# KiCad board for_real_486_rc13.kicad_pcb (continued)
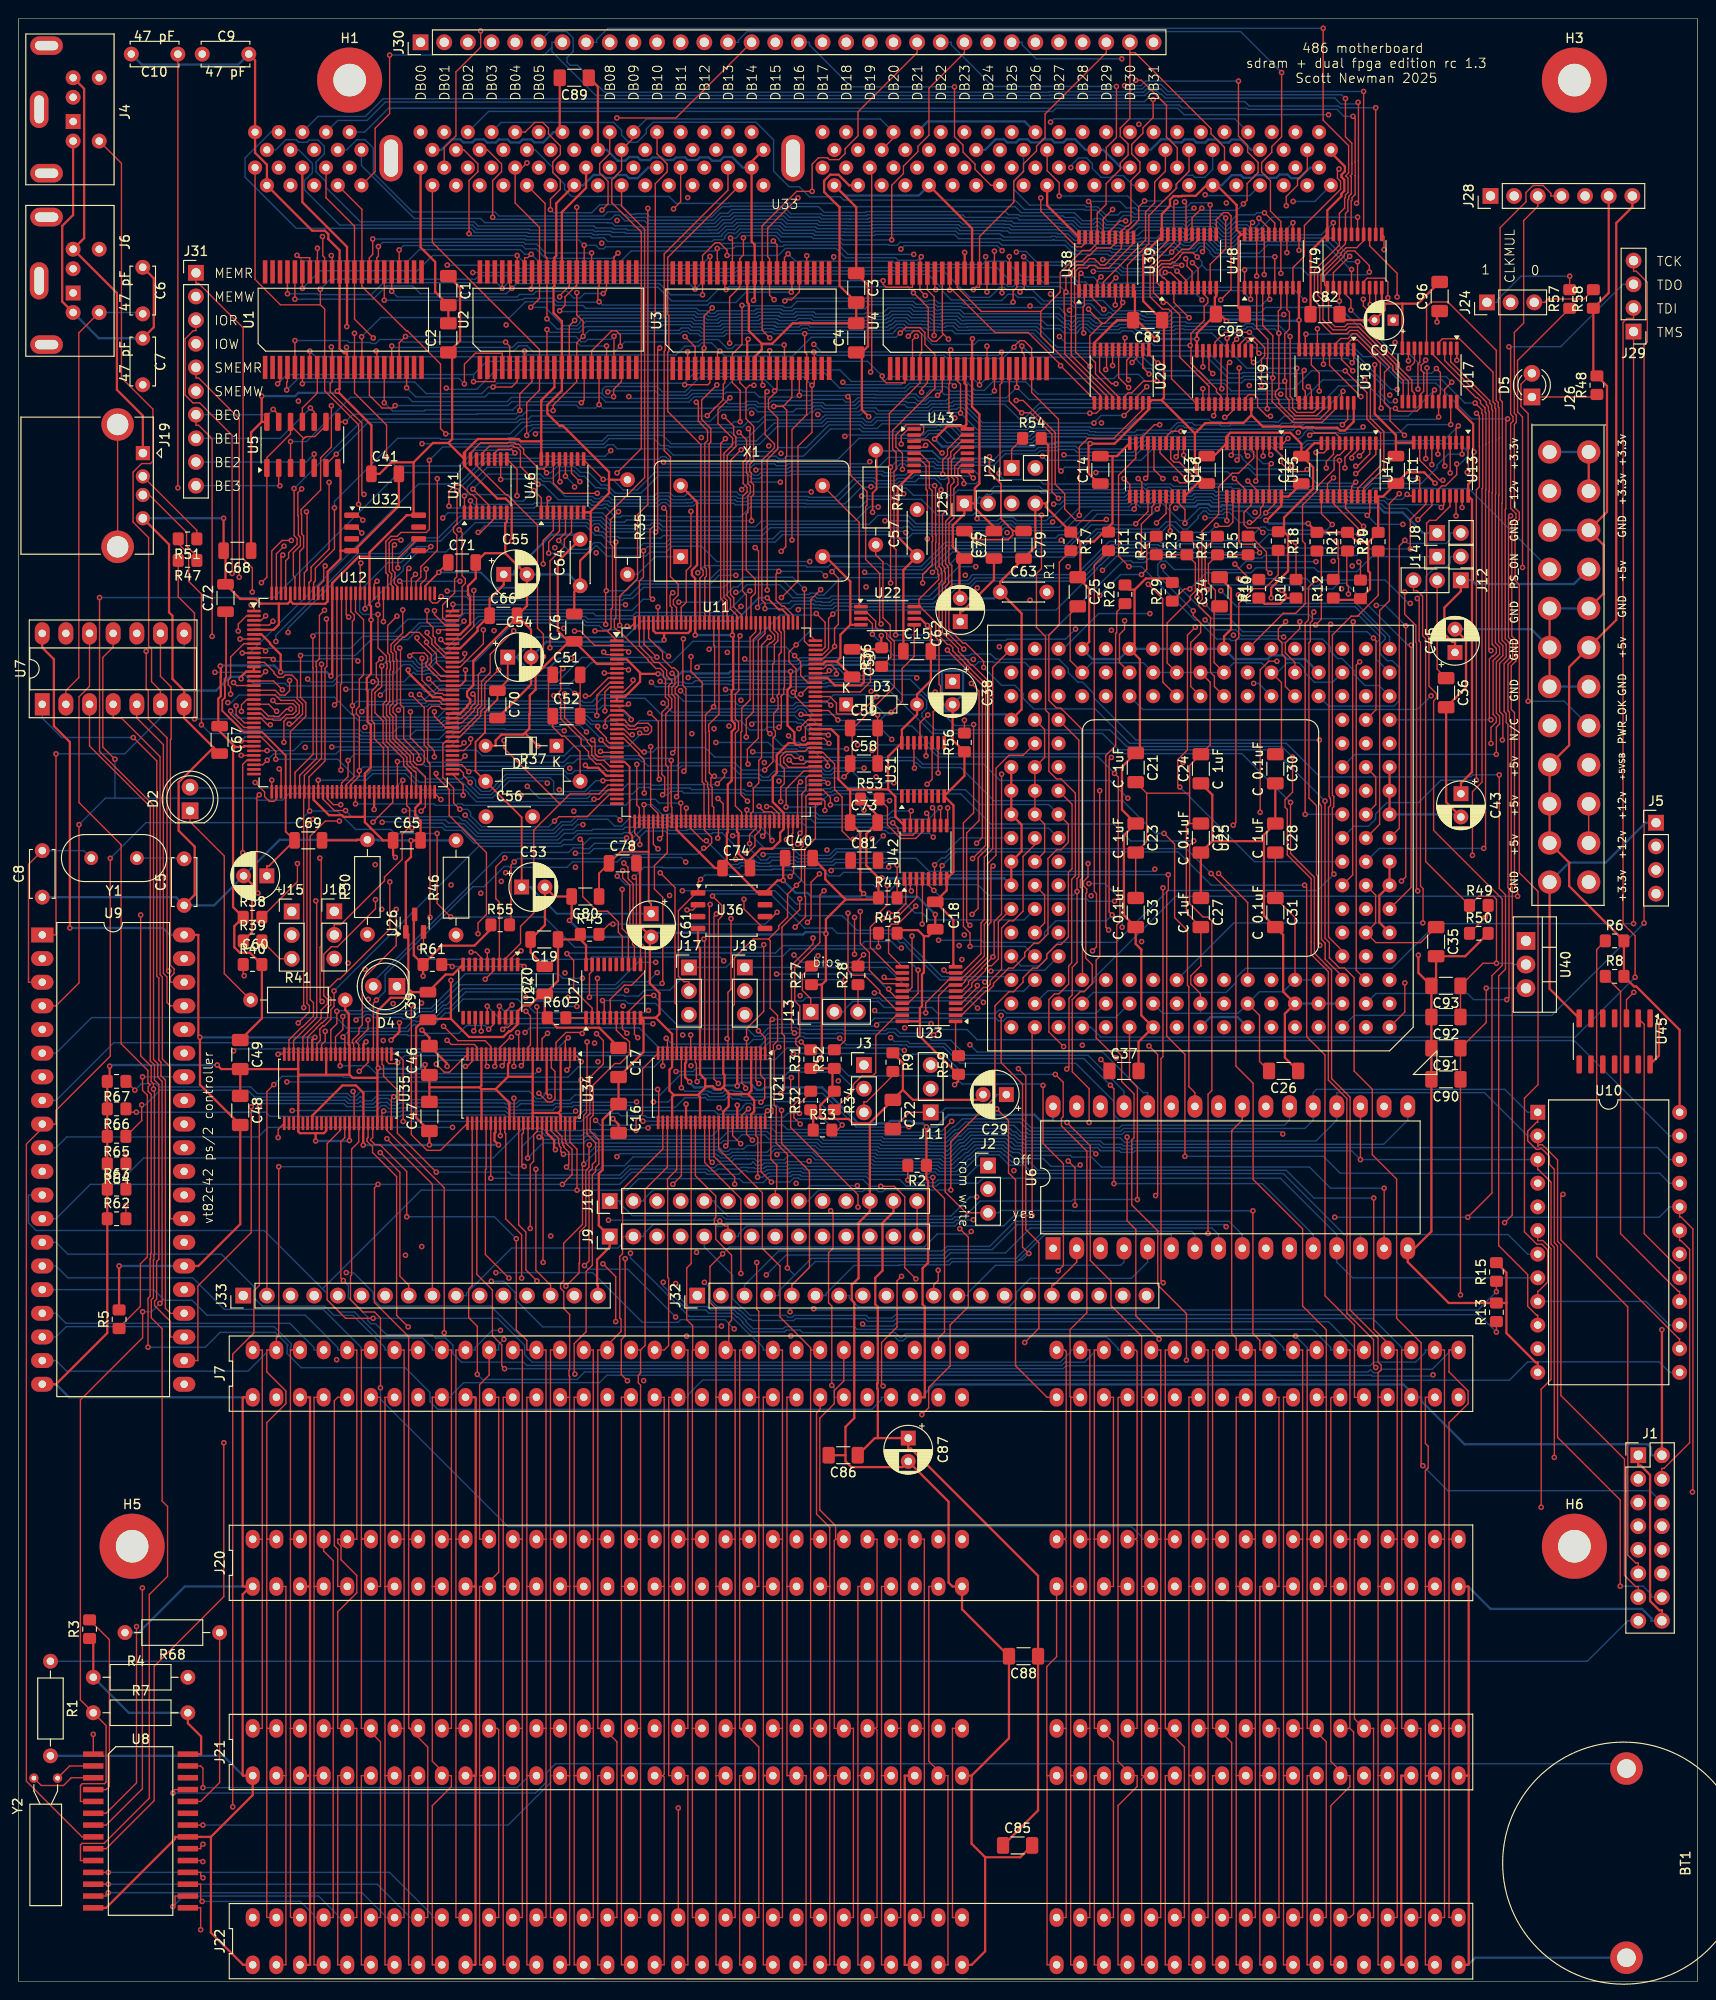
[diagram p0: board, top side]
## Routing (per net, layer and track width the routed paths; a pad name or vN(x,y) marks a point on that pad's centre or on a via; arc(x,y) is an arc through that point) (continued)
AB09: length 341.9
  Top w0.15: U6.26 126.36,95.46 125.71,96.11 125.71,106.84 125.56,106.99 125.56,112.87 124.18,114.26 124.18,122.16 v1(123.04,123.3) ; U21.14 73.7,111.88 v1(73.62,111.96) ; U4.19 108.02,174.75 107.78,174.99 v1(107.78,175.65) ; U11.81 84.86,130.5 84.75,130.4 82.71,130.4 82.19,130.92 82.19,131.42 82.53,131.76 83.01,131.76 83.39,131.38 v1(84.08,131.38) ; v1(83.08,154.81) 83.08,166.69 84.65,168.26 84.65,171.71 84.67,171.73 U3.19 84.67,174.78 84.45,175.01 v1(84.45,176.98) ; U1.19 40.88,176 v1(41.56,176.68) ; U14.17 143.85,160.36 146.31,162.81 146.31,166.32 144.84,167.79 144.84,170.66 v1(142.51,172.99) ; v1(63.95,176.7) U2.19
  In1.Cu w0.15: U6.26 126.36,92.5 125.65,91.78 119.36,91.78 118.49,90.92 118.49,90.79 106.98,79.28 99.39,79.28 94.34,74.23 94.34,73.66 J32.9
  In2.Cu w0.15: v1(84.08,131.38) 83.73,131.73 83.73,133.65 84.62,134.55 84.62,143.36 83.08,144.91 v1(83.08,154.81) ; v1(78.86,132.08) 77.28,130.5 77.28,122.81 76.95,122.48 76.87,122.48 74.91,120.51 74.91,118.54 73.62,117.25 v1(73.62,111.96)
  Bottom w0.15: v1(41.56,176.68) 59.83,176.68 60.4,176.11 60.88,176.11 61.14,176.37 63.63,176.37 v1(63.95,176.7) 64.24,176.98 71.08,176.98 71.34,177.24 71.82,177.24 72.08,176.98 72.98,176.98 73.25,176.71 75.77,176.71 76.04,176.98 80.07,176.98 80.25,177.17 80.85,177.17 80.9,177.11 80.99,177.11 81.12,176.98 v1(84.45,176.98) 93.86,176.98 94.13,177.25 94.13,177.3 94.47,177.64 94.95,177.64 95.29,177.3 95.29,177.29 95.3,177.28 96.67,177.28 98.14,175.82 102.66,175.82 103.1,176.26 107.18,176.26 v1(107.78,175.65) 108.98,174.46 119.85,174.46 120.19,174.12 120.19,174.09 121.04,173.24 121.67,173.24 122.45,172.45 126.77,172.45 127.59,171.64 129.49,171.64 130.3,170.84 135.12,170.84 135.34,171.06 136.96,171.06 138.89,172.99 v1(142.51,172.99) ; v1(78.86,132.08) 78.96,131.97 83.48,131.97 v1(84.08,131.38) 84.34,131.12 96.06,131.12 96.29,130.89 96.48,130.89 96.81,130.55 97,130.37 101.21,130.37 104.76,126.82 118.61,126.82 122.12,123.3 v1(123.04,123.3)
AB10: length 309.6
  Top w0.15: U11.82 84.61,131 84.39,130.78 83.17,130.78 v1(82.77,131.18) ; v1(83.02,97.08) 82.94,96.99 82.94,91.72 90.17,84.49 v1(90.17,83.16) ; v1(143.64,161.04) 143.2,160.6 U14.16 ; v1(85.43,175.01) 85.47,174.97 U3.20 85.47,171.68 v1(85.23,171.43) 85.23,166.39 83.72,164.89 83.72,150.41 v1(81.95,148.64) ; v1(111.97,162.23) 111.71,162.49 111.71,167.79 108.83,170.67 U4.20 108.83,175.43 108.02,176.23 107.54,176.23 106.93,175.61 v1(106.93,175.52) ; v1(41.68,171.17) U1.20 ; U2.20 64.75,171.83 63.92,170.99 v1(63.92,170.21) ; U21.16 72.7,98.69 72.8,98.59 72.8,96.73 v1(72.89,96.64)
  In1.Cu w0.15: v1(82.77,131.18) 82.64,131.05 82.64,128.36 86.24,124.76 89.67,124.76 v1(91.69,122.73) ; J32.10 96.88,73.66 96.88,73.94 97.73,74.79 104.24,74.79 112.91,83.46 112.91,83.59 113.24,83.93 113.8,83.93 117.33,87.46 128.95,87.46 133.99,92.5 133.99,93.98
  In2.Cu w0.15: v1(83.02,97.08) 86.45,100.51 86.45,110.11 90.99,114.66 90.99,115.88 91.35,116.23 91.35,122.38 v1(91.69,122.73) ; J32.10 95.76,74.79 94.97,74.79 90.17,79.58 v1(90.17,83.16) ; v1(82.77,131.18) 82.08,131.87 82.08,134.29 82.26,134.47 82.26,134.95 81.87,135.34 81.87,148.56 v1(81.95,148.64)
  Bottom w0.15: v1(85.43,175.01) 85.78,174.66 99.41,174.66 99.75,174.31 105.72,174.31 v1(106.93,175.52) ; v1(143.64,161.04) 143.53,160.92 139.42,160.92 138.53,161.82 132.84,161.82 132.11,162.55 125.28,162.55 125.19,162.64 112.38,162.64 v1(111.97,162.23) ; v1(72.89,96.64) 73.27,97.02 82.96,97.02 v1(83.02,97.08) ; v1(63.92,170.21) 63.85,170.15 63.06,170.15 62.72,170.49 62.72,170.57 62.71,170.59 ; v1(41.68,171.17) 42.67,170.19 50.09,170.19 50.49,170.59 62.71,170.59 ; 62.71,170.59 62.71,170.97 63.04,171.31 68.59,171.31 69.16,170.73 71.6,170.73 73.23,172.36 84.29,172.36 v1(85.23,171.43)
AB11: length 347.2
  Top w0.15: 40.88,183.62 v1(40.88,185.98) ; U11.83 86.4,131.5 86.91,130.99 v1(86.91,130.54) ; v1(98.78,76.39) 98.78,75.27 98.3,74.79 J32.11 ; U14.15 142.55,158.2 v1(144.48,156.28) ; U3.26 84.67,185.35 v1(84.67,185.35) ; U4.26 108.02,181.89 v1(107.58,181.45) ; 63.95,183.62 63.95,185.21 v1(64.39,185.64) ; U21.17 v1(72.2,101.66)
  In1.Cu w0.15: v1(98.78,76.39) 105.2,76.39 113.1,84.28 113.49,84.28 120.16,90.95 127.35,90.95 128.9,92.5 U6.25 ; v1(94.78,186.07) 85.39,186.07 v1(84.67,185.35) 84.29,184.98 80.15,184.98 79.17,185.96 75.86,185.96 75.46,185.56 74.81,185.56 74.47,185.9 64.64,185.9 v1(64.39,185.64) ; v1(72.2,101.66) 72.38,101.84 78.18,101.84 79.82,103.47 79.82,103.53 85.98,109.69 ; 85.98,109.69 101.27,109.69 v1(101.33,109.75) ; 85.98,109.69 85.87,109.8 v1(85.87,110.17)
  In2.Cu w0.15: v1(101.33,109.75) 100.93,109.35 100.93,103.52 101.12,103.33 101.12,92.04 98.88,89.8 98.88,76.48 v1(98.78,76.39) ; v1(94.78,186.07) 94.78,185.57 90.49,181.29 90.49,170.54 83.75,163.8 v1(83.75,147.34) 85.39,145.7 85.39,133.58 86.91,132.06 v1(86.91,130.54) 86.91,129.84 88.47,128.27 88.47,123.78 88.21,123.52 88.21,113.2 85.87,110.86 v1(85.87,110.17) ; v1(107.58,181.45) 105.65,183.38 v1(105.65,185.9)
  Bottom w0.15: v1(83.75,147.34) 83.91,147.5 85.93,147.5 86,147.43 87.45,147.43 87.73,147.71 89.14,147.71 89.21,147.64 98.72,147.64 100.83,149.75 102.23,149.75 102.88,150.4 114.02,150.4 115.5,151.88 115.5,151.96 116.05,152.5 116.13,152.5 117.58,153.96 122.24,153.96 122.37,153.83 126.2,153.83 126.43,154.06 133.52,154.06 133.63,153.95 143.37,153.95 144.6,155.18 144.6,156.16 v1(144.48,156.28) ; v1(40.88,185.98) 41.34,186.44 54.1,186.44 54.45,186.09 55.59,186.09 56.6,185.08 63.82,185.08 v1(64.39,185.64) ; v1(105.65,185.9) 105.12,186.43 95.13,186.43 v1(94.78,186.07)
AB12: length 312.3
  Top w0.15: v1(82.31,180.5) 82.43,180.62 83.02,180.62 83.87,181.47 U3.27 ; U11.84 86.41,132 87.65,130.76 87.65,128.01 88.47,127.2 88.47,123.57 89.37,122.66 v1(89.66,122.66) ; 40.08,183.62 v1(40.08,181.53) ; 63.16,183.62 63.16,181.64 v1(62.81,181.29) ; v1(83.91,116.29) 83.91,115.15 82,113.23 82,101.82 82.26,101.56 82.26,95.77 v1(81.87,95.37) ; v1(141.9,163.36) 141.9,159.5 U14.14 ; v1(106.83,180.37) 106.83,181.56 107.23,181.96 107.23,183.48 ; v1(71.2,95.99) 71.2,99.69 U21.19
  In1.Cu w0.15: v1(112.29,163.96) 111.83,164.42 109.44,164.42 108.02,163 108.02,157.44 v1(106.19,155.61) ; v1(62.81,181.29) 63.85,182.33 80.47,182.33 v1(82.31,180.5)
  In2.Cu w0.15: v1(106.19,155.61) 106.53,155.27 106.53,148.78 104.46,146.71 104.46,140.48 103.75,139.77 103.75,135.66 103.51,135.42 103.51,134.92 101.41,132.83 101.41,126.06 v1(98.25,122.9) ; v1(95.63,91.79) 96.1,91.32 96.1,85.49 95.37,84.77 95.37,78.98 99.57,74.79 100.84,74.79 J32.12 ; v1(83.68,122.16) 84.05,121.79 84.05,118.14 84.13,118.06 84.13,116.5 v1(83.91,116.29) ; v1(112.29,163.96) 111.35,164.9 111.35,175.85 v1(106.83,180.37)
  Bottom w0.15: U6.4 118.74,77.26 118.39,76.91 104.94,76.91 101.96,73.94 101.96,73.66 J32.12 ; v1(40.08,181.53) 40.68,180.93 53.55,180.93 53.83,181.2 55.29,181.2 55.61,181.52 58.92,181.52 59.65,180.79 60.28,180.79 60.78,181.29 v1(62.81,181.29) ; v1(141.9,163.36) 136.07,163.36 134.57,164.87 121.43,164.87 121.25,164.69 121.25,164.56 121.21,164.52 120.56,164.52 119.92,163.87 112.38,163.87 v1(112.29,163.96) ; v1(82.31,180.5) 82.61,180.8 96.86,180.8 97.2,180.46 97.68,180.46 97.76,180.55 98.54,180.55 98.83,180.26 101.43,180.26 101.55,180.14 106.6,180.14 v1(106.83,180.37) ; v1(98.25,122.9) 97.85,123.31 93.44,123.31 93.13,123.62 90.63,123.62 v1(89.66,122.66) 84.19,122.66 v1(83.68,122.16) ; v1(71.2,95.99) 71.57,95.61 73.32,95.61 73.35,95.65 74.05,95.65 74.17,95.52 74.39,95.52 74.53,95.38 75.38,95.38 75.41,95.42 75.6,95.42 75.89,95.71 76.77,95.71 76.88,95.6 76.96,95.6 76.96,95.6 77.47,95.6 77.52,95.54 77.67,95.54 77.86,95.36 81.85,95.36 v1(81.87,95.37) 86.36,95.37 89.98,91.76 95.6,91.76 v1(95.63,91.79)
AB13: length 348.7
  Top w0.15: 62.36,183.62 62.36,182.09 62.23,181.96 62.23,180.53 v1(62.36,180.41) ; v1(83,181.44) 83.07,181.51 U3.28 ; U4.28 v1(106.42,185.26) ; U11.85 84.85,132.5 84.45,132.11 82.39,132.11 81.84,131.57 81.84,130.7 82.25,130.29 82.25,128.65 81.87,128.27 v1(81.87,126.72) ; 39.28,183.62 v1(39.28,180.57) ; v1(68.92,119.07) 70.51,117.49 70.51,105.09 70.7,104.9 U21.20 ; v1(80.18,147.45) 80.18,148.02 79.84,148.36 79.84,163.37 81.19,164.73 81.19,165.13 80.19,166.14 80.19,170.55 v1(80.4,170.76) ; v1(143.97,155.45) 143.9,155.52 143.9,156.08 141.25,158.73 U14.13
  In1.Cu w0.15: 81.87,127.05 82.34,127.05 84.01,125.39 84.01,125.31 86.87,122.45 87.22,122.45 87.76,121.91 87.76,121.58 92.32,117.02 92.61,117.02 97.22,112.41 v1(101.59,112.41) ; 81.87,127.05 81.38,127.54 78.26,127.54 74.53,123.81 74.53,121.83 71.78,119.07 v1(68.92,119.07) ; 81.87,127.05 v1(81.87,126.72) ; v1(83,181.44) 85.89,184.33 105.49,184.33 v1(106.42,185.26)
  In2.Cu w0.15: v1(80.4,170.76) 80.4,170.85 83,173.45 v1(83,181.44) ; v1(80.18,147.45) 79.63,146.9 79.63,131.76 79.2,131.33 79.2,129.39 v1(81.87,126.72) ; J32.13 103.38,74.79 100.53,77.64 100.53,81.15 100.76,81.38 100.76,90.64 101.12,91 101.12,91.54 101.48,91.9 101.48,99.89 v1(102.19,100.6) 101.56,101.24 101.56,103.39 101.28,103.66 101.28,108.49 101.91,109.12 101.91,110.26 101.63,110.55 101.63,112.37 v1(101.59,112.41)
  Bottom w0.15: 121.29,93.98 121.29,95.46 120.83,95.46 116.46,99.82 102.97,99.82 v1(102.19,100.6) ; v1(83,181.44) 78.15,181.44 77.04,180.33 74.27,180.33 74,180.06 62.71,180.06 v1(62.36,180.41) 62.32,180.37 57.88,180.37 57.46,180.78 54.33,180.78 54.19,180.64 53.76,180.64 53.7,180.57 v1(39.28,180.57) ; v1(143.97,155.45) 134.3,155.45 133.27,154.41 124.74,154.41 124.51,154.19 122.51,154.19 122.39,154.31 117.36,154.31 113.8,150.75 102.73,150.75 102.63,150.65 102.63,150.64 102.08,150.1 100.4,150.1 98.29,147.99 89.39,147.99 89.32,148.06 87.58,148.06 87.3,147.78 86.14,147.78 86.08,147.85 85.48,147.85 85.37,147.96 85.32,147.91 83.38,147.91 82.92,147.45 v1(80.18,147.45)
AB14: length 321.7
  Top w0.15: U4.29 105.62,181.4 v1(105.64,181.38) ; v1(141.25,161.5) 140.6,160.85 U14.12 ; 38.48,183.62 38.48,185.14 38.65,185.31 v1(38.65,186.34) ; v1(85.34,112.07) 85.34,111.44 83.03,109.13 83.03,102.18 v1(83.34,101.87) ; U21.22 69.7,101.17 v1(69.57,101.3) ; U3.29 82.27,185.16 v1(82.66,185.56) ; 61.55,183.62 61.55,185.65 v1(61.55,185.65) ; v1(87.06,132.98) 86.53,133.5 U11.87
  In1.Cu w0.15: v1(87.06,132.98) 87.06,132.84 83.35,129.13 83.35,128.65 84.48,127.52 87.3,127.52 v1(87.86,126.96) ; v1(82.66,185.56) 80.26,185.56 79.41,186.4 75.59,186.4 75.29,186.71 74.81,186.71 74.41,186.31 63.07,186.31 62.41,185.65 v1(61.55,185.65)
  In2.Cu w0.15: v1(82.71,133.79) 82.64,133.85 82.64,139.45 82.33,139.77 82.33,148.13 82.52,148.32 82.52,153.82 82.14,154.2 82.14,154.95 82.79,155.61 82.79,163.7 84.31,165.22 84.31,168.21 87.56,171.46 v1(87.56,185.23) ; v1(141.25,161.5) 141.25,177.49 v1(138.16,180.58) ; v1(87.86,126.96) 87.86,114.6 v1(85.34,112.07) ; v1(103.88,185.25) 103.88,183.14 v1(105.64,181.38) ; J32.14 105.92,80.39 118.03,92.5 118.74,92.5 U6.29
  Bottom w0.15: v1(138.16,180.58) 136.77,181.96 115.18,181.96 114.61,182.54 113.8,182.54 113.25,183.08 107.79,183.08 106.1,184.77 103.88,184.77 ; 103.88,184.77 v1(103.88,185.25) ; 103.88,184.77 103.53,184.42 94.26,184.42 93.9,184.77 87.56,184.77 ; v1(38.65,186.34) 39.1,186.79 54.25,186.79 54.44,186.6 55.64,186.6 56.59,185.65 v1(61.55,185.65) ; 87.56,184.77 83.45,184.77 v1(82.66,185.56) ; 87.56,184.77 v1(87.56,185.23) ; v1(87.06,132.98) 86.95,132.87 84.1,132.87 83.89,133.08 83.41,133.08 v1(82.71,133.79) ; U6.29 118.74,95.61 114.88,99.47 101.75,99.47 100.14,101.09 98.06,101.09 97.66,101.49 94.51,101.49 94.05,101.94 93.43,101.94 93.28,101.78 88.54,101.78 88.45,101.88 87.97,101.88 87.87,101.78 84.51,101.78 84.42,101.87 v1(83.34,101.87) 83.28,101.81 80.5,101.81 79.86,101.17 78.91,101.17 78.42,100.68 70.18,100.68 v1(69.57,101.3)
AB15: length 332.2
  Top w0.15: v1(79.38,147.57) 79.49,147.69 79.49,153.64 v1(79.12,154) ; v1(111.67,76.32) 112.24,76.88 112.24,87.82 110.05,90 v1(110.05,96.24) ; U11.88 86.85,134 v1(86.98,133.87) ; 37.68,183.62 37.68,185.14 38.04,185.5 v1(38.04,187.15) ; U4.30 v1(104.83,185.84) ; v1(60.75,186.47) 60.75,183.62 ; v1(81.08,186.93) 81.47,186.54 U3.30 ; U21.23 v1(69.2,98.34) ; v1(141.11,156.48) 139.95,157.65 U14.11
  In1.Cu w0.15: v1(104.83,185.84) 103,187.67 81.82,187.67 v1(81.08,186.93) ; J32.15 109.58,73.66 109.58,74.23 v1(111.67,76.32) 112.62,77.26 116.2,77.26 U6.3
  In2.Cu w0.15: v1(79.38,147.57) 79.28,147.48 79.28,135.56 v1(78.76,135.03) 78.76,133.36 76.66,131.26 76.66,123.82 76.13,123.29 76.13,122.93 73.98,120.79 73.98,120.79 73.98,118.26 73.01,117.29 73.01,112.65 70.42,110.07 70.42,98.15 70.31,98.03 ; 70.31,98.03 69.5,98.03 v1(69.2,98.34) ; 70.31,98.03 v1(70.61,97.73) ; v1(79.12,154) 80,154.89 80,165.17 80.02,165.19 80.02,167.45 79.83,167.64 79.83,167.69 80.03,167.89 80.03,169.58 78.16,171.45 78.16,174.61 79.41,175.86 79.41,179 80.2,179.78 79.87,180.11 79.87,185.73 v1(81.08,186.93)
  Bottom w0.15: v1(79.38,147.57) 79.83,148.02 82.75,148.02 82.99,148.26 84.94,148.26 84.94,148.27 85.18,148.27 85.29,148.38 85.44,148.38 85.62,148.21 85.63,148.21 85.63,148.21 86.22,148.21 86.29,148.13 87.16,148.13 87.46,148.44 98.16,148.44 100.18,150.45 101.94,150.45 102.28,150.79 102.28,150.92 102.46,151.1 113.61,151.1 117.17,154.66 122.54,154.66 122.66,154.54 124.37,154.54 124.59,154.77 131.99,154.77 133.43,156.2 133.9,156.2 134.24,155.87 140.5,155.87 v1(141.11,156.48) ; v1(70.61,97.73) 72.42,97.73 72.78,98.09 88.35,98.09 89.17,97.27 100.46,97.27 101.34,96.39 109.9,96.39 v1(110.05,96.24) ; v1(38.04,187.15) 54.39,187.15 54.49,187.04 60.18,187.04 v1(60.75,186.47) 62,186.47 62.38,186.1 62.86,186.1 63.07,186.31 74.41,186.31 74.81,186.71 75.29,186.71 75.34,186.66 76.81,186.66 76.85,186.71 80.85,186.71 v1(81.08,186.93) ; v1(78.76,135.03) 79.01,135.29 83.53,135.29 83.66,135.16 84.04,135.16 85.33,133.87 v1(86.98,133.87)
AB16: length 332.6
  Top w0.15: 113.67,78.74 113.67,77.26 111.19,74.79 111,74.79 J32.16 ; U4.38 98.42,181.96 98.52,181.86 v1(98.52,181.71) ; v1(84.34,133.45) 84.52,133.63 84.52,134.71 84.82,135 U11.90 ; U15.18 134.34,162.8 v1(134.56,163.02) ; 54.36,183.62 54.36,185.14 54.69,185.14 v1(55.06,185.51) ; v1(75.05,186.13) 75.05,185.06 75.07,185.04 U3.38 ; U35.2 39.54,98.82 39.78,98.58 40.62,98.58 v1(40.72,98.68) ; v1(29.91,185.39) 30.16,185.14 31.28,185.14 31.28,183.62
  In1.Cu w0.15: v1(84.34,133.45) 85.54,134.65 89.32,134.65 92.1,137.43 92.43,137.43 93.64,138.64 93.64,138.97 94.44,139.77 94.5,139.77 94.57,139.7 94.86,139.7 99.31,144.14 103.38,144.14 106.18,146.94 107.24,146.94 v1(108.65,148.36)
  In2.Cu w0.15: v1(115.72,88.89) 115.72,82.27 113.67,80.22 113.67,78.74 ; v1(81.47,88.82) 81.27,89.02 81.27,99.96 v1(81.66,100.35) 82.35,101.04 82.35,103.51 84.13,105.29 84.2,105.29 84.76,105.86 84.76,112.31 85.1,112.65 85.22,112.65 87.15,114.58 87.15,117.38 86.15,118.38 85.79,118.38 85.45,118.72 85.45,132.34 v1(84.34,133.45) ; v1(108.65,148.36) 108.65,155.16 112.31,158.81 112.31,161.08 109.98,163.41 v1(109.98,163.83) 109.98,167.81 107.4,170.38 107.21,170.38 102.76,174.83 102.76,175.33 100.95,177.14 100.95,179.28 v1(98.52,181.71) 96.16,184.08 v1(96.16,185.5)
  Bottom w0.15: v1(81.47,88.82) 81.69,89.04 85.3,89.04 85.75,88.59 91.9,88.59 92.1,88.4 97.28,88.4 97.34,88.34 97.39,88.34 99.03,88.34 99.33,88.04 100.1,88.04 101.4,89.35 101.55,89.35 101.58,89.38 101.79,89.38 102.6,90.18 105.91,90.18 106.26,89.83 106.36,89.83 106.71,89.48 106.82,89.48 106.91,89.38 107.6,89.38 107.8,89.18 115.42,89.18 v1(115.72,88.89) ; v1(134.56,163.02) 133.68,163.02 132.19,164.52 121.7,164.52 120.57,163.38 110.42,163.38 v1(109.98,163.83) ; v1(40.72,98.68) 41.49,99.44 80.75,99.44 v1(81.66,100.35) ; v1(96.16,185.5) 89.11,185.5 88.11,186.5 82.22,186.5 82.08,186.36 77,186.36 76.78,186.13 v1(75.05,186.13) 74.77,185.86 65.79,185.86 64.62,184.69 55.89,184.69 v1(55.06,185.51) 54.36,185.51 53.87,186 43.04,186 41.82,184.79 30.51,184.79 v1(29.91,185.39)
AB17: length 338
  Top w0.15: v1(98.35,176.78) 98.35,180.94 97.63,181.67 97.62,181.96 97.62,183.48 ; 53.55,183.62 v1(53.55,185.38) ; U3.39 v1(74.27,185.27) ; v1(86.53,117.15) 86.08,116.7 86.08,111.6 83.38,108.9 83.38,105.29 83.92,104.76 83.92,101.63 83.49,101.21 83.49,100.67 83.81,100.35 83.81,94.69 83.29,94.17 83.29,92.76 v1(83.97,92.08) ; v1(44.87,86.92) 40.68,91.11 40.68,94.59 40.88,94.78 40.88,95.55 39.21,97.22 39.21,98.34 39.04,98.51 U35.3 ; v1(83.82,134.56) 84.76,135.5 U11.91 ; v1(30.49,181.85) 30.49,182.08 30.48,182.09 30.48,183.62 ; U15.17 133.69,158.49 133.4,158.2 133.4,157.54 132.56,156.7 v1(132.22,156.7)
  In1.Cu w0.15: v1(83.82,134.56) 87.83,138.57 v1(91.58,138.57) ; v1(74.27,185.27) 74.74,184.81 78.82,184.81 82.81,180.81 94.32,180.81 v1(98.35,176.78)
  In2.Cu w0.15: 96.61,151.32 91.13,145.85 91.13,142.67 90.93,142.47 90.93,141.99 91.13,141.79 91.13,139.01 v1(91.58,138.57) ; 96.61,151.32 98.13,151.32 v1(98.17,151.36) ; 96.61,151.32 94.29,153.64 94.29,158.18 95.69,159.58 95.69,174.12 v1(98.35,176.78) ; v1(83.97,92.08) 84.92,91.13 v1(84.92,88.11) ; v1(83.82,134.56) 83.37,134.12 83.37,131.26 85.1,129.54 85.1,118.58 v1(86.53,117.15) ; v1(114.04,87.69) 112.56,86.21 112.56,75.77 113.54,74.79 J32.17
  Bottom w0.15: v1(44.87,86.92) 52.64,86.92 52.95,86.61 64.57,86.61 65.56,87.6 74.06,87.6 74.26,87.4 74.74,87.4 75.09,87.74 76.79,87.74 76.82,87.77 78.65,87.77 78.88,88 78.91,88 79.25,87.66 79.56,87.66 79.59,87.68 79.88,87.68 80.09,87.89 82.37,87.89 82.53,88.05 84.92,88.05 ; 84.92,88.05 v1(84.92,88.11) ; 84.92,88.05 85.07,87.89 91.61,87.89 91.8,87.69 96.99,87.69 97.27,87.41 97.45,87.41 97.68,87.64 98.74,87.64 99.04,87.34 100.49,87.34 101.2,88.04 101.3,88.04 101.93,88.67 102.08,88.67 102.89,89.48 105.61,89.48 105.97,89.13 106.07,89.13 106.42,88.78 106.52,88.78 106.93,88.37 110.07,88.37 110.9,87.54 113.88,87.54 v1(114.04,87.69) ; v1(74.27,185.27) 73.33,184.33 54.6,184.33 v1(53.55,185.38) 44.47,185.38 42.83,183.74 32.37,183.74 v1(30.49,181.85) ; v1(132.22,156.7) 131.16,156.7 130.08,157.79 129.58,157.79 129.37,157.57 127.89,157.57 127.53,157.93 127.26,157.93 126.71,157.38 126.71,157.17 125.53,155.99 125.05,155.99 124.27,156.77 123.28,156.77 122.5,155.99 115.76,155.99 113.29,153.53 100.34,153.53 v1(98.17,151.36)
AB18: length 345.6
  Top w0.15: v1(52.98,181.86) 52.98,181.86 52.75,182.09 52.75,183.62 ; v1(76.1,185.38) 76.1,185.94 75.3,186.74 74.84,186.74 73.47,185.38 U3.40 v1(73.47,181.15) ; 29.68,183.62 v1(29.68,180.68) ; U11.94 84.44,137 83.42,138.02 83.42,138.47 ; v1(38.44,105.41) 38.11,105.08 38.11,99.67 U35.5 ; v1(97.4,181.08) 96.83,181.65 96.83,185.01 96.96,185.15 v1(96.96,185.25) ; v1(116.85,157.03) 116.72,156.9 113.62,156.9 112.37,158.14 112.37,159.79 111.36,160.8 111.36,166.36 107.91,169.81 v1(107.16,169.81) ; 83.42,138.47 83.53,138.58 83.53,140.97 82.75,141.74 82.75,142.78 v1(83.53,143.56) ; 83.42,138.47 v1(83.22,138.47) ; U15.16 133.04,160.16 v1(132.04,161.15)
  In1.Cu w0.15: v1(76.31,134.84) 76.41,134.84 80.27,138.69 82.99,138.69 v1(83.22,138.47) ; v1(132.04,161.15) 131.73,160.84 128.14,160.84 124.87,157.58 121.85,157.58 121.77,157.5 117.32,157.5 v1(116.85,157.03)
  In2.Cu w0.15: J32.18 116.08,74.79 115.1,75.76 115.1,80.16 120.2,85.25 120.2,98.43 123.26,101.5 123.26,106.32 122.91,106.67 122.91,108 118.55,112.36 v1(118.55,113.22) ; v1(107.16,169.81) 102.38,174.59 102.38,175.22 100.6,176.99 100.6,177.88 v1(97.4,181.08) ; v1(114.97,117.92) 113.2,119.69 113.2,144.91 v1(113.54,145.25) 117.06,148.77 117.06,156.82 v1(116.85,157.03) ; v1(76.31,134.84) 76.31,133.79 75.48,132.96 75.48,131.77 73.81,130.1 73.81,124.38 72.27,122.85 72.27,120.83 v1(71.66,120.23)
  Bottom w0.15: v1(76.1,185.38) 81.6,185.38 82.37,186.14 87.81,186.14 88.83,185.13 94.21,185.13 94.49,184.85 96.57,184.85 v1(96.96,185.25) ; v1(114.97,117.92) 116.71,117.92 118.55,116.08 v1(118.55,113.22) ; v1(38.44,105.41) 39.37,106.34 39.37,108.15 48.8,117.58 49.99,117.58 52.17,119.75 52.65,119.75 52.74,119.67 58.92,119.67 59.5,120.24 64.31,120.24 64.79,120.72 71.17,120.72 v1(71.66,120.23) ; v1(83.53,143.56) 85.28,145.31 91.92,145.31 92,145.23 92.83,145.23 93.48,144.58 93.48,144.45 93.88,144.05 106.09,144.05 106.2,144.16 112.45,144.16 v1(113.54,145.25) ; v1(73.47,181.15) 70.06,181.15 68.86,182.36 53.49,182.36 v1(52.98,181.86) 52.4,181.28 43.15,181.28 42.32,182.11 39.5,182.11 38.08,180.68 v1(29.68,180.68)
AB19: length 360.3
  Top w0.15: v1(92.87,182.67) 92.87,182.29 93.2,181.96 96.02,181.96 U4.41 ; U11.95 86.81,137.5 v1(87.25,137.07) ; v1(133.66,155.63) 133.17,156.12 131.99,156.12 131.63,156.48 131.63,157.77 132.39,158.53 U15.15 ; U3.41 v1(72.67,181.76) ; v1(117.39,131.46) 117.14,131.21 117.14,114.88 v1(117.47,114.55) ; U35.6 37.54,98.7 v1(36.59,97.75) ; v1(89.8,114.29) v1(89.8,110.32) ; 28.88,183.62 v1(28.88,181.27) ; 51.95,183.62 v1(51.95,181.86) ; v1(122.14,84.41) 122.36,84.63 122.36,99.54 v1(121.42,100.48)
  In1.Cu w0.15: 89.8,110.79 90.31,110.79 90.63,111.11 91.17,111.11 91.75,111.69 98.68,111.69 v1(98.82,111.83) ; 89.8,110.79 85.65,110.79 83.72,108.87 83.72,108.59 79.34,104.21 79.34,103.53 78.09,102.27 66.59,102.27 64.51,100.18 54.28,100.18 52.61,98.52 52.61,98.16 51.59,97.14 37.21,97.14 v1(36.59,97.75) ; 89.8,110.79 v1(89.8,110.32) ; v1(117.39,145.13) 117.89,145.63 117.89,146.05 120.6,148.76 121.86,148.76 122.12,149.02 122.37,149.02 122.49,148.89 123.6,150 123.6,150.14 123.71,150.25 124.46,151 124.46,151.18 127.31,154.02 127.93,154.02 127.97,154.06 128.22,154.06 128.35,153.94 128.51,154.1 128.51,154.1 130.04,155.63 v1(133.66,155.63)
  In2.Cu w0.15: 89.05,135.36 88.33,136.07 88.08,136.07 87.25,136.91 v1(87.25,137.07) ; 89.05,135.36 89.76,134.65 89.76,134.02 90.74,133.03 90.74,132.46 89.62,131.33 89.62,126.57 89.54,126.49 89.54,123.6 89.07,123.13 89.07,119.7 89.8,118.97 v1(89.8,114.29) ; 89.05,135.36 89.92,136.24 89.92,138.02 89.76,138.19 89.38,138.57 89.38,147.14 86.09,150.42 86.09,151.29 86.7,151.9 86.81,151.9 87.48,152.56 87.48,156.67 84.52,159.63 84.52,161.57 85.87,162.93 85.87,165.31 90.89,170.33 90.89,180.7 v1(92.87,182.67) ; v1(122.14,84.41) 120.02,82.28 120.02,76.18 118.62,74.79 J32.19 ; v1(117.39,145.13) 117.29,145.13 115.72,143.55 115.72,133.13 v1(117.39,131.46) ; v1(117.47,114.55) 117.87,114.15 117.87,111.66 120.6,108.93 120.6,107.34 121.83,106.12 122.33,106.12 122.91,105.54 122.91,101.97 v1(121.42,100.48)
  Bottom w0.15: v1(28.88,181.27) 32.08,181.27 32.17,181.17 37.9,181.17 39.18,182.46 51.35,182.46 v1(51.95,181.86) 52.81,182.71 71.72,182.71 v1(72.67,181.76) 73.58,182.67 v1(92.87,182.67) ; v1(98.82,111.83) 103.42,111.83 103.65,111.6 109.67,111.6 110.21,112.14 110.21,112.69 111.44,113.92 116.84,113.92 v1(117.47,114.55)
AB20: length 234.8
  Top w0.15: v1(130.61,161.42) 131.74,160.29 U15.14 ; U11.96 87.15,138 87.85,137.31 87.85,136.27 87.98,136.13 90.31,136.13 v1(92.19,138.01) ; v1(112.75,88.12) 113.48,87.38 v1(113.48,83.36) ; v1(37.53,103.28) 37.53,102.27 36.25,100.99 36.25,100.92 36.54,100.63 U35.8
  In1.Cu w0.15: v1(92.19,138.01) 92.19,138.02 94.34,140.17 94.59,140.17 94.72,140.05 98.91,144.24 98.91,144.37 99.1,144.55 102.88,144.55 105.74,147.42 106.65,147.42 111.19,151.95 v1(112.74,151.95) ; v1(37.2,108.72) 36.9,108.42 36.9,103.91 v1(37.53,103.28) ; v1(39,115.14) 39.72,115.86 64.77,115.86 64.94,116.04 64.94,116.07 65.08,116.21 67.18,116.21 68.18,117.22 70.24,117.22 70.94,116.52 71.52,116.52 72.04,117.04 72.04,118.38 73.94,120.27 74.19,120.27 74.31,120.15 76.08,121.92 76.08,122.43 v1(76.71,123.05) ; v1(113.48,83.36) 113.59,83.36 117.48,79.47 117.48,78.05 120.74,74.79 121.16,74.79 J32.20 ; v1(115.21,116.6) 115.07,116.46 113.2,116.46 112.99,116.68 103.41,116.68 98.69,121.4 94.53,121.4 v1(92.89,123.05)
  In2.Cu w0.15: v1(39,115.14) 39,110.52 v1(37.2,108.72) ; v1(92.89,123.05) 92.74,123.05 90.24,125.55 90.24,126.19 92.72,128.67 92.72,135.49 92.86,135.63 92.86,137.34 v1(92.19,138.01) ; v1(112.74,151.95) 115.72,154.94 v1(115.72,162.06) ; v1(115.21,116.6) 115.94,115.87 115.94,110.1 115.4,109.56 115.4,104.65 114.5,103.76 114.03,103.76 113.19,102.91 113.19,100.28 114.75,98.72 114.75,92.91 112.75,90.91 v1(112.75,88.12)
  Bottom w0.15: v1(92.89,123.05) 91.5,121.66 87.78,121.66 87.07,120.94 83.91,120.94 83.14,121.71 80.11,121.71 78.77,123.05 v1(76.71,123.05) ; v1(115.72,162.06) 115.82,162.16 129.87,162.16 v1(130.61,161.42)
AB21: length 153.8
  Top w0.15: U15.13 131.09,154.64 131.38,154.35 132.58,154.35 133.31,153.62 v1(133.31,153.45) ; U35.9 35.99,99.65 35.99,100.69 35.86,100.81 35.86,101.1 36.57,101.8 36.57,102.39 36.92,102.74 36.92,107.62 40.56,111.26 v1(40.56,115.14) ; U11.97 90.42,138.5 91.51,139.59 v1(91.51,142.23)
  In1.Cu w0.15: v1(102.57,141.99) 102.57,142 103.04,142 105.33,144.29 108.12,144.29 115.39,151.56 v1(116.43,151.56) ; v1(69.93,116.64) 69.15,115.86 65.26,115.86 64.7,115.3 40.72,115.3 v1(40.56,115.14)
  In2.Cu w0.15: v1(69.93,116.64) 70.49,117.2 70.49,119.87 71.67,121.05 71.67,123.74 73.02,125.1 73.02,132.05 74.63,133.66 74.73,133.66 75.29,134.22 75.29,139.34 v1(78,142.05)
  Bottom w0.15: v1(78,142.05) 78.22,141.82 83.6,141.82 83.95,142.17 91.51,142.17 ; 91.51,142.17 v1(91.51,142.23) ; 91.51,142.17 93.5,142.17 93.68,141.99 v1(102.57,141.99) ; v1(116.43,151.56) 117.98,153.1 119.97,153.1 120.33,152.75 120.81,152.75 121.15,153.08 121.15,153.21 121.39,153.45 v1(133.31,153.45)
